# Altium PCB PCBDesign.PcbDoc (part 5 of 8)
Units mm, origin at the board's own origin, x right, y up, seen from the top; angles counter-clockwise.
Board outline 95 x 70 mm, 10 copper layers (L1 (Sig), L2 (GND), L3 (Sig), L4 (GND), L5 (Sig), L6 (GND), L7 (Sig), L8 (GND), L9 (PWR), L10 (Sig)), stack 1.566 mm thick; 290 components, 365 nets, 1923 pads, 1420 vias.
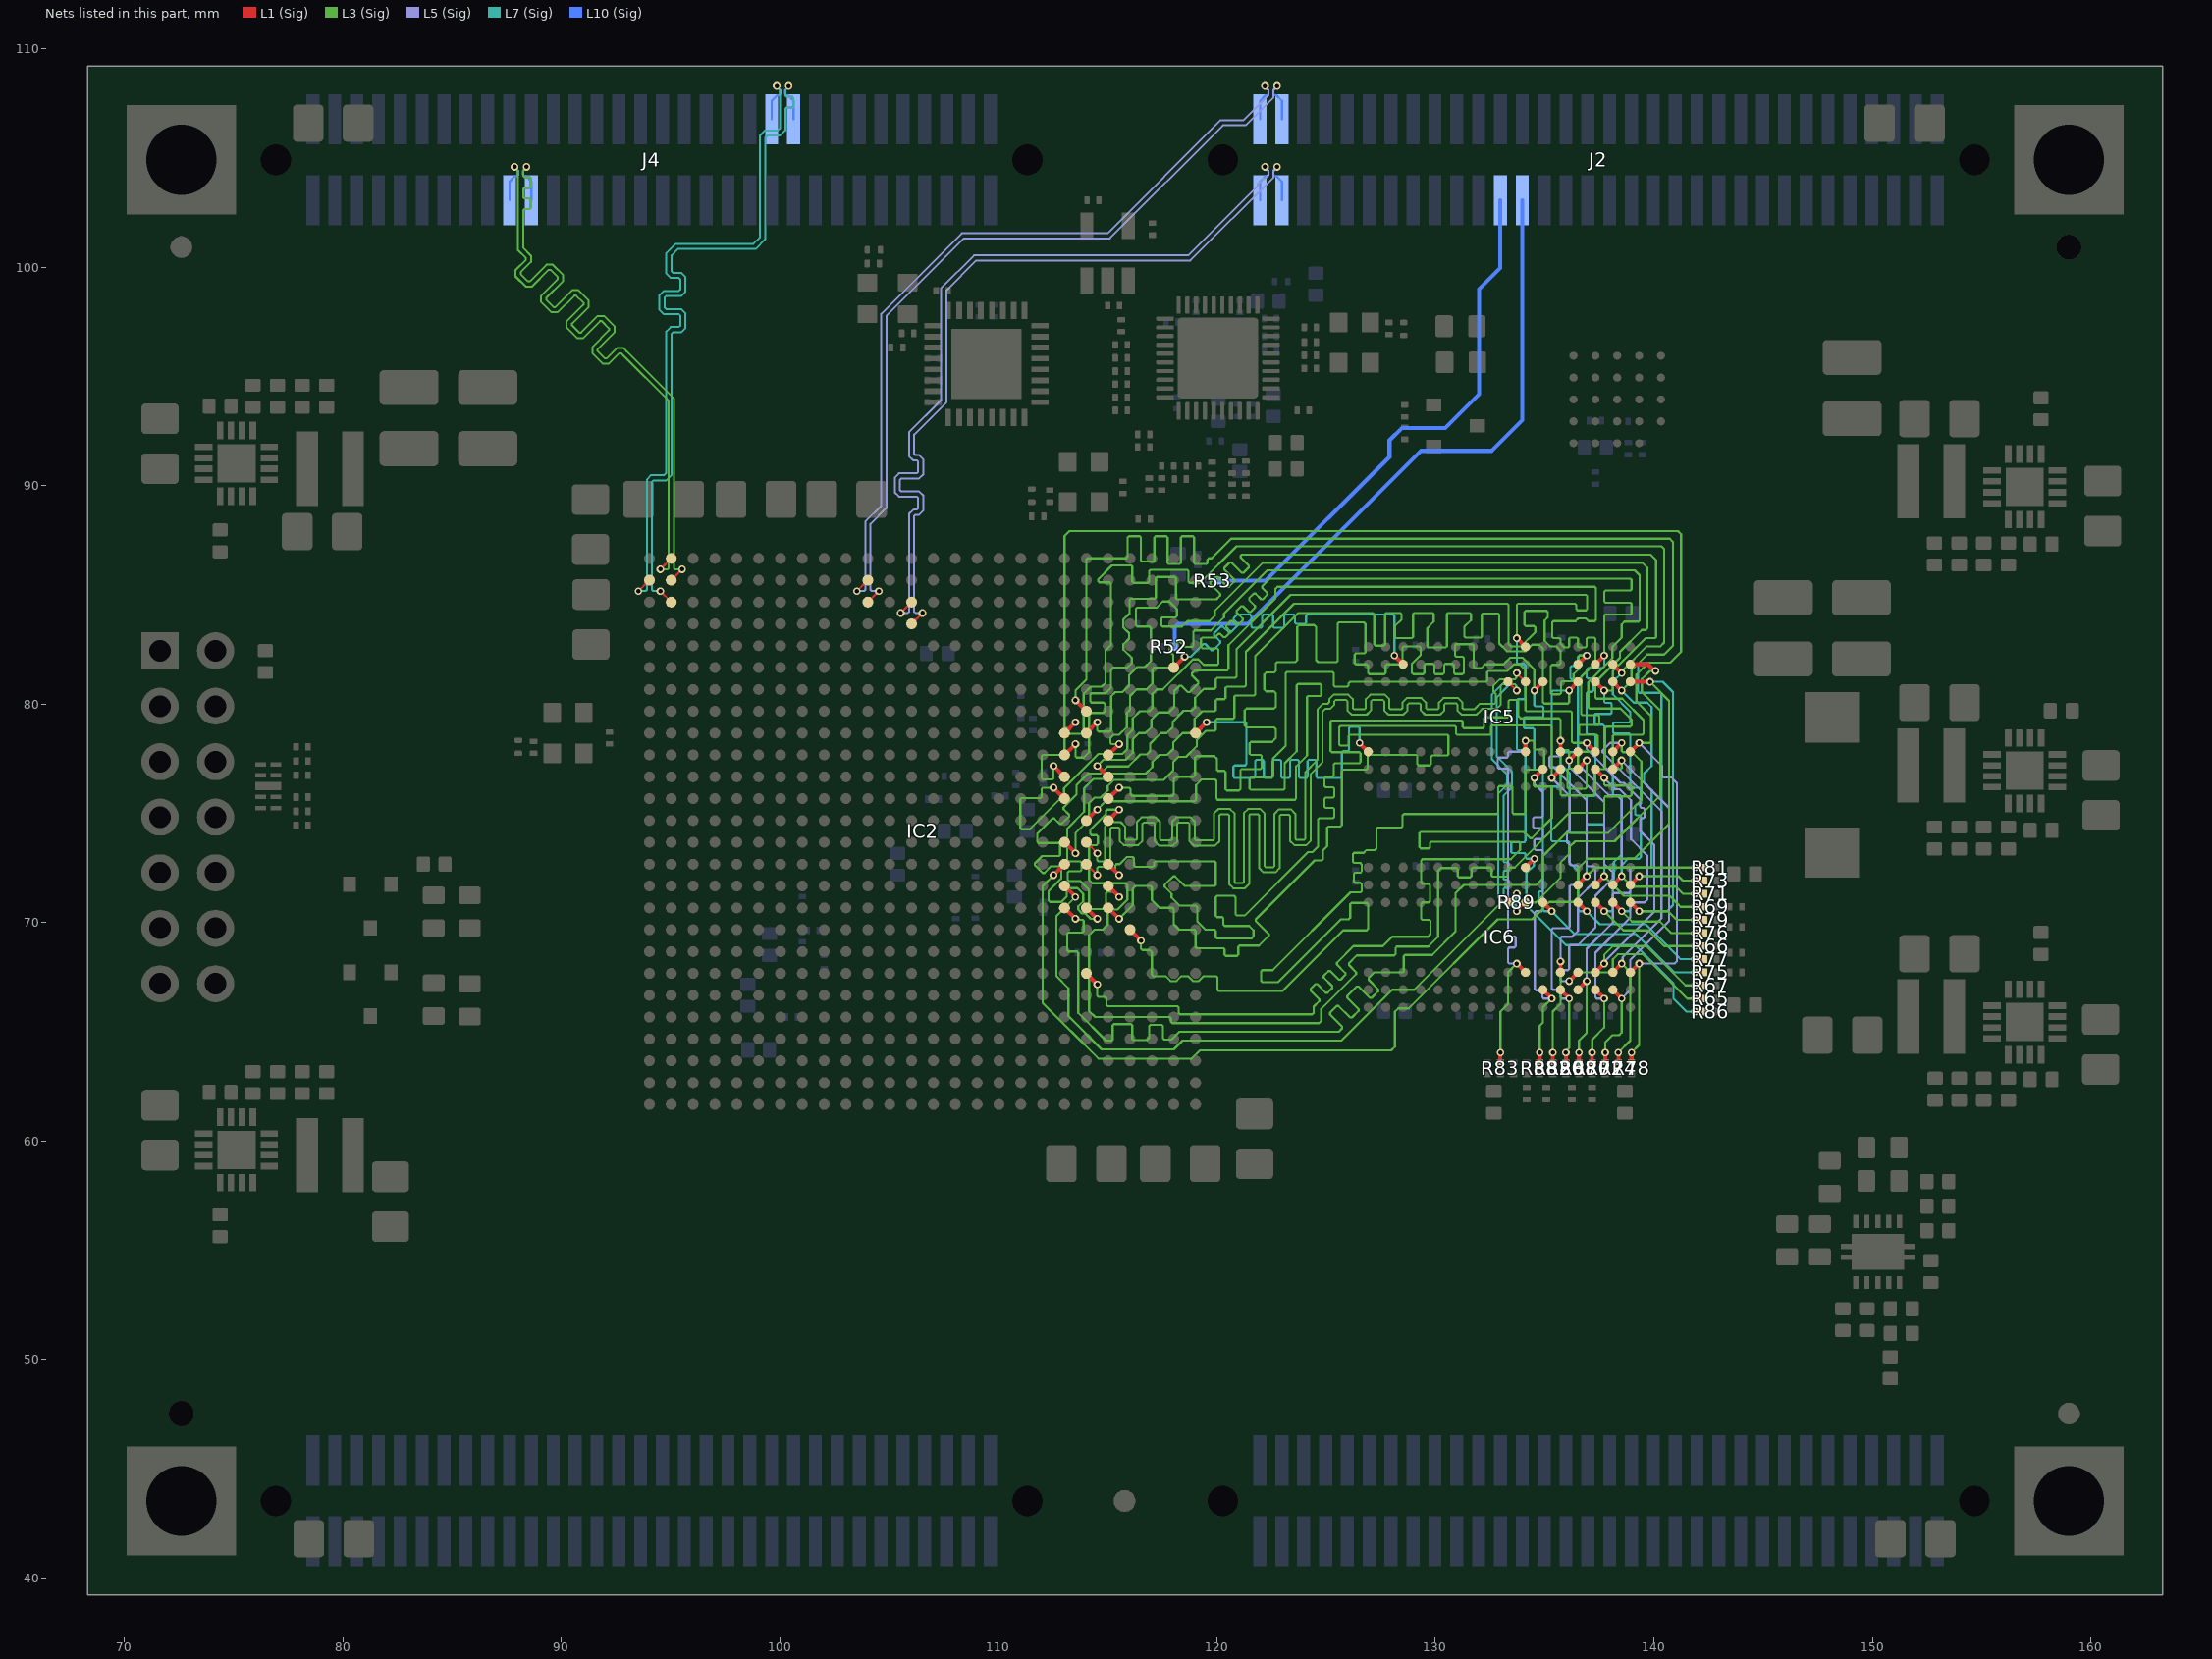
[diagram p13: the nets of this part, all layers, seen from the top]

## Via types
v1: diameter 0.35, hole 0.2, L1 (Sig) to L10 (Sig), tented both sides, 1046 vias
v2: diameter 0.45, hole 0.2, L1 (Sig) to L10 (Sig), tented both sides, 216 vias
v3: diameter 0.6, hole 0.3, L1 (Sig) to L10 (Sig), tented both sides, 95 vias
v4: diameter 0.8, hole 0.4, L1 (Sig) to L10 (Sig), tented both sides, 41 vias
v5: diameter 0.45, hole 0.3, L1 (Sig) to L10 (Sig), tented both sides, 22 vias

## Nets (pads, with @x,y where several pads share a name; then routed paths per layer and width w, separated by ;. In a path a pad name is that pad's centre, name@x,y a point inside that pad or via, vN(x,y) a via of type N, cw(c..) or ccw(c..) an arc to the next point about the centre after c; other vN are vias at no path point) (continued)
B34_IO_L23_N: IC2.B1 J4.22 | length 33.9
  L1 (Sig) w0.1: v1(93.525,85.175) IC2.B1@94.025,85.675
  L7 (Sig) w0.09: v1(93.525,85.175) 93.852,85.175 93.905,85.228 93.905,90.28 94.115,90.49 94.701,90.49 94.8,90.589 94.8,96.625 94.8,97.061 95,97.261 95.373,97.261 95.432,97.32 95.432,97.792 95.373,97.851 94.686,97.851 94.487,98.05 94.487,98.721 94.686,98.921 95.373,98.921 95.432,98.98 95.432,99.452 95.373,99.511 95,99.511 94.8,99.71 94.8,99.925 94.8,100.65 95.225,101.075 98.786,101.075 99.085,101.374 99.085,106.035 99.315,106.265 99.901,106.265 100.005,106.369 100.005,108.117 99.85,108.272 v1(99.85,108.3)
  L10 (Sig) w0.1: J4.22@99.625,106.775 99.625,107.625 99.875,107.875 99.956,107.875 100.015,107.934 100.015,108.116 99.85,108.281 v1(99.85,108.3)
B34_IO_L23_P: IC2.C2 J4.20 | length 34.5
  L1 (Sig) w0.1: v1(94.525,85.175) IC2.C2@95.025,84.675
  L7 (Sig) w0.09: v1(94.525,85.175) 94.198,85.175 94.145,85.228 94.145,90.181 94.214,90.25 94.8,90.25 95.04,90.49 95.04,96.625 95.04,96.962 95.099,97.021 95.472,97.021 95.672,97.22 95.672,97.891 95.472,98.091 94.786,98.091 94.727,98.15 94.727,98.622 94.786,98.681 95.472,98.681 95.672,98.88 95.672,99.551 95.472,99.751 95.099,99.751 95.04,99.81 95.04,99.925 95.04,100.551 95.324,100.835 98.885,100.835 99.325,101.275 99.325,105.936 99.414,106.025 100,106.025 100.245,106.27 100.245,106.725 100.245,107.26 100.298,107.313 100.556,107.313 100.605,107.362 100.605,107.754 100.556,107.803 100.298,107.803 100.245,107.855 100.245,108.031 100.245,108.117 100.4,108.272 v1(100.4,108.3)
  L10 (Sig) w0.1: v1(100.4,108.3) 100.4,108.281 100.235,108.116 100.235,107.934 100.294,107.875 100.375,107.875 100.625,107.625 J4.20@100.625,106.775
B34_IO_L24_N: IC2.A2 J4.45 | length 32.9
  L1 (Sig) w0.1: v1(94.525,86.175) IC2.A2@95.025,86.675
  L3 (Sig) w0.09: v1(87.85,104.6) 87.85,104.572 88.005,104.417 88.005,101.03 88.005,100.795 88.37,100.43 88.37,100.347 87.892,99.87 87.892,99.587 88.366,99.113 88.649,99.113 89.418,99.882 89.501,99.882 89.835,99.548 89.835,99.465 89.066,98.696 89.066,98.414 89.54,97.939 89.823,97.939 90.591,98.708 90.675,98.708 91.009,98.374 91.009,98.291 90.24,97.522 90.24,97.24 90.714,96.765 90.996,96.765 91.765,97.534 91.849,97.534 92.182,97.201 92.182,97.117 91.414,96.348 91.414,96.066 91.888,95.592 92.17,95.592 92.648,96.069 92.731,96.069 92.813,95.988 94.905,93.895 94.905,86.228 94.852,86.175 v1(94.525,86.175)
  L10 (Sig) w0.1: J4.45@87.625,103.075 87.625,103.925 87.875,104.175 87.956,104.175 88.015,104.234 88.015,104.416 87.85,104.581 v1(87.85,104.6)
B34_IO_L24_P: IC2.B2 J4.43 | length 34.1
  L1 (Sig) w0.1: IC2.B2@95.025,85.675 v1(95.525,86.175)
  L3 (Sig) w0.09: v1(88.4,104.6) 88.4,104.572 88.253,104.425 88.245,104.417 88.245,104.184 88.298,104.132 88.536,104.132 88.585,104.083 88.585,103.691 88.536,103.642 88.294,103.642 88.245,103.593 88.245,103.201 88.294,103.152 88.536,103.152 88.585,103.103 88.585,102.711 88.536,102.662 88.298,102.662 88.245,102.609 88.245,102.074 88.245,101.27 88.245,100.894 88.61,100.53 88.61,100.248 88.132,99.77 88.132,99.687 88.466,99.353 88.549,99.353 89.318,100.122 89.6,100.122 90.075,99.648 90.075,99.365 89.306,98.596 89.306,98.513 89.64,98.179 89.723,98.179 90.492,98.948 90.774,98.948 91.249,98.474 91.249,98.191 90.48,97.423 90.48,97.339 90.813,97.005 90.897,97.005 91.666,97.774 91.948,97.774 92.422,97.3 92.422,97.018 91.654,96.249 91.654,96.165 91.987,95.832 92.071,95.832 92.548,96.309 92.83,96.309 92.982,96.157 95.145,93.994 95.145,86.228 95.198,86.175 v1(95.525,86.175)
  L10 (Sig) w0.1: v1(88.4,104.6) 88.4,104.581 88.235,104.416 88.235,104.234 88.294,104.175 88.375,104.175 88.625,103.925 J4.43@88.625,103.075
B35_IO_L19_N: IC2.C13 J2.63 | length 38.3
  L1 (Sig) w0.1: v1(105.525,84.175) IC2.C13@106.025,84.675
  L5 (Sig) w0.09: v1(105.525,84.175) 105.852,84.175 105.905,84.228 105.905,88.35 105.905,88.711 106.105,88.911 106.268,88.911 106.327,88.97 106.327,89.442 106.268,89.501 105.45,89.501 105.251,89.7 105.251,90.371 105.45,90.571 106.268,90.571 106.327,90.63 106.327,91.102 106.268,91.161 106.105,91.161 105.905,91.36 105.905,91.575 105.905,92.444 107.385,93.924 107.385,99.049 108.886,100.55 118.686,100.55 121.875,103.739 121.875,103.825 122.1,104.05 122.186,104.05 122.355,104.219 122.355,104.417 122.2,104.572 v1(122.2,104.6)
  L10 (Sig) w0.1: J2.63@121.975,103.075 121.975,103.925 122.225,104.175 122.306,104.175 122.365,104.234 122.365,104.416 122.2,104.581 v1(122.2,104.6)
B35_IO_L19_P: IC2.D13 J2.61 | length 38.3
  L1 (Sig) w0.1: IC2.D13@106.025,83.675 v1(106.525,84.175)
  L5 (Sig) w0.09: v1(106.525,84.175) 106.198,84.175 106.145,84.228 106.145,88.35 106.145,88.612 106.204,88.671 106.367,88.671 106.567,88.87 106.567,89.541 106.367,89.741 105.55,89.741 105.491,89.8 105.491,90.272 105.55,90.331 106.367,90.331 106.567,90.53 106.567,91.201 106.367,91.401 106.204,91.401 106.145,91.46 106.145,91.575 106.145,92.345 107.625,93.825 107.625,98.95 108.985,100.31 118.785,100.31 122.595,104.12 122.595,104.417 122.75,104.572 v1(122.75,104.6)
  L10 (Sig) w0.1: v1(122.75,104.6) 122.75,104.581 122.585,104.416 122.585,104.234 122.644,104.175 122.725,104.175 122.975,103.925 J2.61@122.975,103.075
B35_IO_L23_N: IC2.B11 J2.64 | length 38.2
  L1 (Sig) w0.1: v1(103.525,85.175) IC2.B11@104.025,85.675
  L5 (Sig) w0.09: v1(103.525,85.175) 103.852,85.175 103.905,85.228 103.905,88.353 104.635,89.083 104.635,97.874 108.32,101.56 114.995,101.56 120.176,106.74 121.226,106.74 122.355,107.869 122.355,108.117 122.2,108.272 v1(122.2,108.3)
  L10 (Sig) w0.1: J2.64@121.975,106.775 121.975,107.625 122.225,107.875 122.306,107.875 122.365,107.934 122.365,108.116 122.2,108.281 v1(122.2,108.3)
B35_IO_L23_P: IC2.C11 J2.62 | length 38.2
  L1 (Sig) w0.1: IC2.C11@104.025,84.675 v1(104.525,85.175)
  L5 (Sig) w0.09: v1(104.525,85.175) 104.198,85.175 104.145,85.228 104.145,88.254 104.875,88.984 104.875,97.775 108.42,101.32 115.095,101.32 120.275,106.5 121.325,106.5 122.595,107.77 122.595,108.117 122.75,108.272 v1(122.75,108.3)
  L10 (Sig) w0.1: v1(122.75,108.3) 122.75,108.281 122.585,108.116 122.585,107.934 122.644,107.875 122.725,107.875 122.975,107.625 J2.62@122.975,106.775
BOOTMODE_0: J2.39 R52.1 | length 30.8
  L10 (Sig) w0.185: R52.1@118.075,82.625 118.075,83.525 118.225,83.675 121.425,83.675 129.35,91.6 132.575,91.6 133.975,93 J2.39@133.975,103.075
BOOTMODE_1: J2.41 R53.1 | length 25.2
  L10 (Sig) w0.185: R53.1@120.075,85.65 122.225,85.65 127.9,91.325 127.9,92.075 128.475,92.65 130.45,92.65 132,94.2 132,99 132.975,99.975 J2.41@132.975,103.075
DDR_A0: IC2.K22 IC5.N3 IC6.N3 R65.2 | length 71.9
  L1 (Sig) w0.185: IC2.K22@115.025,77.675 v1(115.525,78.175) ; v1(136.125,67.325) IC6.N3@136.525,67.725 ; v1(136.125,77.425) IC5.N3@136.525,77.825 ; v1(141.875,66.525) R65.2@142.325,66.525
  L3 (Sig) w0.1: v1(115.525,78.175) 115.184,78.175 115.125,78.234 115.125,78.45 115.275,78.6 115.525,78.6 115.875,78.95 115.875,79.6 116.025,79.75 116.025,80.375 116.325,80.675 116.775,80.675 117.05,80.95 117.05,81.6 117.125,81.675 117.941,81.675 118,81.734 118,82.25 117.829,82.421 117.829,82.504 118.209,82.884 118.291,82.884 118.55,82.625 118.866,82.625 118.925,82.684 118.925,83.316 118.984,83.375 119.725,83.375 120.325,83.975 120.325,84.15 122.3,86.125 139.125,86.125 139.35,85.9 139.35,83.836 139.291,83.777 138.652,83.777 138.525,83.65 138.525,83.05 138.1,82.625 138.1,82.1 137,81 137,79.859 137.059,79.8 138.475,79.8 138.975,79.3 138.975,79.034 138.916,78.975 137.834,78.975 137.775,78.916 137.775,77.084 137.716,77.025 137.334,77.025 137.275,76.966 137.275,75.884 137.216,75.825 135.784,75.825 135.725,75.884 135.725,77.841 135.784,77.9 136.066,77.9 136.125,77.841 v1(136.125,77.425) ; v1(136.125,67.325) 136.525,67.725 137.925,67.725 138.125,67.925 138.125,68.325 138.35,68.55 139.5,68.55 141.525,66.525 v1(141.875,66.525)
  L5 (Sig) w0.1: v1(136.125,67.325) 135.784,67.325 135.725,67.384 135.725,67.766 135.784,67.825 136.066,67.825 136.125,67.884 136.125,68.916 136.184,68.975 136.525,68.975 137.325,69.775 137.325,71.225 138.125,72.025 138.125,72.3 137.725,72.7 137.725,75.525 136.125,77.125 v1(136.125,77.425)
DDR_A1: IC2.K20 IC5.P7 IC6.P7 R66.2 | length 69.3
  L1 (Sig) w0.185: IC2.K20@113.025,77.675 v1(113.525,78.175) ; IC5.P7@137.325,81.025 v1(137.725,80.625) ; IC6.P7@137.325,70.925 v1(137.727,70.525) ; v1(141.875,68.925) R66.2@142.325,68.925
  L3 (Sig) w0.1: v1(113.525,78.175) 113.525,77.609 113.584,77.55 113.9,77.55 114.15,77.8 114.15,79.525 114.225,79.6 114.816,79.6 114.875,79.659 114.875,80.016 114.816,80.075 114.259,80.075 114.2,80.134 114.2,80.441 114.259,80.5 114.9,80.5 115.15,80.75 115.15,81.575 115.25,81.675 115.9,81.675 116.1,81.875 116.1,82.125 115.725,82.5 115.725,82.75 115.975,83 115.975,83.25 115.711,83.514 115.711,83.864 116,84.152 116,84.764 116.059,84.823 117.141,84.823 117.2,84.882 117.2,85.766 117.259,85.825 118.066,85.825 118.125,85.766 118.125,84.859 118.184,84.8 119.975,84.8 120.146,84.971 120.146,85.054 119.691,85.509 119.691,85.591 119.934,85.834 120.016,85.834 120.225,85.625 120.471,85.379 120.554,85.379 120.796,85.621 120.796,85.704 120.341,86.159 120.341,86.241 120.584,86.484 120.666,86.484 121.134,86.016 121.216,86.016 121.459,86.259 121.459,86.341 121.091,86.709 121.091,86.791 121.15,86.85 139.85,86.85 140.1,86.6 140.1,83.084 140.041,83.025 139.627,83.025 138.125,81.523 138.125,80.684 138.066,80.625 v1(137.725,80.625) ; v1(137.727,70.525) 138.602,69.65 139.75,69.65 140.475,68.925 v1(141.875,68.925)
  L7 (Sig) w0.1: v1(137.725,80.625) 137.725,80.4 137.725,80.117 137.784,80.059 138.022,80.059 138.072,80.009 138.072,79.609 138.022,79.559 137.342,79.559 137.292,79.509 137.292,79.109 137.342,79.059 137.666,79.059 137.725,79 137.725,78.95 137.725,77.084 137.784,77.025 138.066,77.025 138.125,76.966 138.125,75.884 138.184,75.825 138.466,75.825 138.525,75.766 138.525,73.125 138.173,72.773 138.173,71.973 138.125,71.925 138.125,70.584 138.066,70.525 v1(137.727,70.525)
DDR_A2: IC2.N21 IC5.P3 IC6.P3 R67.2 | length 70.1
  L1 (Sig) w0.185: IC2.N21@114.025,74.675 v1(114.525,75.175) ; v1(136.925,78.225) IC5.P3@137.325,77.825 ; IC6.P3@137.325,67.725 v1(137.725,68.125) ; v1(141.875,67.125) R67.2@142.325,67.125
  L3 (Sig) w0.1: v1(114.525,75.175) 114.9,75.55 118.991,75.55 119.05,75.609 119.05,76.3 119.3,76.55 119.916,76.55 119.975,76.491 119.975,75.684 120.034,75.625 123.566,75.625 123.625,75.684 123.625,77.15 124.125,77.65 124.125,80.316 124.184,80.375 124.716,80.375 124.775,80.434 124.775,80.866 124.716,80.925 123.709,80.925 123.65,80.866 123.65,77.85 123.1,77.3 123.1,76.142 123.041,76.084 121.559,76.084 121.5,76.142 121.5,76.591 121.559,76.65 122.516,76.65 122.575,76.709 122.575,77.525 123.15,78.1 123.15,81.416 123.209,81.475 125.291,81.475 125.35,81.416 125.35,80.859 125.409,80.8 125.966,80.8 126.025,80.859 126.025,80.95 126.1,81.025 132.316,81.025 132.375,81.084 132.375,81.462 132.434,81.521 133.29,81.521 133.594,81.825 133.85,81.825 134.125,81.55 134.125,79.734 134.184,79.675 136.191,79.675 136.25,79.616 136.25,78.284 136.309,78.225 v1(136.925,78.225) ; v1(137.725,68.125) 137.725,68.525 138.125,68.925 139.65,68.925 141.45,67.125 v1(141.875,67.125)
  L5 (Sig) w0.1: v1(136.925,78.225) 136.916,78.216 136.916,77.959 138.475,76.4 138.625,76.4 139.375,75.65 139.375,75.309 139.434,75.25 139.516,75.25 139.575,75.191 139.575,74.834 139.516,74.775 139.434,74.775 139.375,74.716 139.375,74.2 140.025,73.55 140.025,70.5 137.817,68.292 137.817,68.285 137.725,68.193 v1(137.725,68.125)
DDR_A3: IC2.L22 IC5.N2 IC6.N2 R68.2 | length 68.1
  L1 (Sig) w0.185: v1(114.525,77.175) IC2.L22@115.025,76.675 ; IC6.N2@136.525,66.925 v1(136.925,67.325) ; IC5.N2@136.525,77.025 v1(136.925,77.425) ; R68.2@136.575,63.6 v1(136.575,64.05)
  L3 (Sig) w0.1: v1(114.525,77.175) 114.8,77.45 115.825,77.45 116.15,77.775 116.15,78.4 116.425,78.675 116.725,78.675 117,78.95 117,79.3 117.325,79.625 117.8,79.625 118.05,79.875 118.05,80.6 118.296,80.846 118.379,80.846 118.671,80.554 118.754,80.554 119.146,80.946 119.146,81.029 118.854,81.321 118.854,81.404 119,81.55 120.466,81.55 120.525,81.609 120.525,82.7 122.675,84.85 122.675,85.275 122.775,85.375 137.291,85.375 137.35,85.316 137.35,83.859 137.291,83.8 137.009,83.8 136.884,83.925 136.541,83.925 136.416,83.8 135.409,83.8 135.35,83.741 135.35,83.084 135.409,83.025 135.666,83.025 135.725,82.966 135.725,82.775 135.9,82.6 136.066,82.6 136.125,82.659 136.125,82.991 136.184,83.05 136.466,83.05 136.525,82.991 136.525,82.659 136.584,82.6 136.866,82.6 136.925,82.659 136.925,82.991 136.984,83.05 137.266,83.05 137.325,82.991 137.325,81.9 136.675,81.25 136.675,79.559 136.734,79.5 137.441,79.5 137.5,79.441 137.5,79.109 137.441,79.05 136.634,79.05 136.575,78.991 136.575,78.659 136.634,78.6 137.366,78.6 137.425,78.541 137.425,77.884 137.366,77.825 136.584,77.825 136.525,77.766 136.525,77.109 136.466,77.05 136.109,77.05 136.05,76.991 136.05,76.184 136.109,76.125 136.866,76.125 136.925,76.184 v1(136.925,77.425) ; v1(136.575,64.05) 136.575,64.6 136.925,64.95 v1(136.925,67.325)
  L5 (Sig) w0.1: v1(136.925,67.325) 136.925,68.8 138.125,70 138.125,71.291 138.184,71.35 138.866,71.35 138.925,71.409 138.925,72.466 138.866,72.525 138.584,72.525 138.525,72.584 138.525,75.6 138.3,75.825 137.95,75.825 136.725,77.05 136.725,77.225 v1(136.925,77.425)
DDR_A4: IC2.M20 IC5.P8 IC6.P8 R69.2 | length 69.4
  L1 (Sig) w0.185: v1(112.525,76.175) IC2.M20@113.025,75.675 ; IC6.P8@137.325,71.725 v1(137.725,72.125) ; IC5.P8@137.325,81.825 v1(137.725,82.225) ; v1(141.877,70.725) R69.2@142.325,70.725
  L3 (Sig) w0.1: v1(112.525,76.175) 112.034,76.175 111.975,76.116 111.975,75.759 111.916,75.7 111.059,75.7 111,75.641 111,74.334 111.059,74.275 111.425,74.275 113,75.85 113,76.15 114.575,77.725 115.675,77.725 115.9,77.95 115.9,78.575 116.15,78.825 116.15,79.35 116.475,79.675 116.9,79.675 117.05,79.825 117.05,80.475 117.25,80.675 117.525,80.675 118.9,82.05 119.15,82.05 119.4,81.8 120.016,81.8 120.075,81.859 120.075,82.491 120.016,82.55 119.334,82.55 119.275,82.609 119.275,82.991 119.334,83.05 119.9,83.05 120.071,83.221 120.154,83.221 120.225,83.15 120.309,83.066 120.391,83.066 120.596,83.271 120.596,83.354 120.429,83.521 120.429,83.604 120.634,83.809 120.716,83.809 120.896,83.629 120.979,83.629 121.184,83.834 121.184,83.916 120.904,84.196 120.904,84.279 121.109,84.484 121.191,84.484 121.459,84.216 121.541,84.216 121.746,84.421 121.746,84.504 121.479,84.771 121.479,84.854 121.684,85.059 121.766,85.059 122.021,84.804 122.104,84.804 122.309,85.009 122.309,85.091 122.079,85.321 122.079,85.404 122.425,85.75 138.916,85.75 138.975,85.691 138.975,85.259 138.916,85.2 137.784,85.2 137.725,85.141 137.725,84.709 137.784,84.65 138.916,84.65 138.975,84.591 138.975,84.159 138.916,84.1 137.784,84.1 137.725,84.041 v1(137.725,82.225) ; v1(137.725,72.125) 138.625,71.225 140.725,71.225 141.1,70.85 141.225,70.725 v1(141.877,70.725)
  L7 (Sig) w0.1: v1(137.725,72.125) 137.725,74.441 137.666,74.5 136.984,74.5 136.925,74.559 136.925,75.741 136.984,75.8 137.266,75.8 137.325,75.859 137.325,78.566 137.266,78.625 136.984,78.625 136.925,78.684 136.925,79.844 136.925,80.502 136.986,80.563 137.168,80.563 137.229,80.623 137.229,81.11 137.168,81.171 136.986,81.171 136.925,81.231 136.925,81.305 136.925,81.591 136.984,81.65 137.666,81.65 137.725,81.709 v1(137.725,82.225)
DDR_A5: IC2.N22 IC5.P2 IC6.P2 R70.2 | length 67.3
  L1 (Sig) w0.185: IC2.N22@115.025,74.675 v1(115.525,75.175) ; R70.2@137.175,63.6 v1(137.175,64.05) ; IC6.P2@137.325,66.925 v1(137.725,66.525) ; IC5.P2@137.325,77.025 v1(137.725,76.625)
  L3 (Sig) w0.1: v1(115.525,75.175) 114.984,75.175 114.925,75.116 114.925,74.975 114.2,74.25 114.2,74.059 114.259,74 114.491,74 114.55,73.941 114.55,73.609 114.491,73.55 114.209,73.55 114.15,73.491 114.15,71.95 114.3,71.8 115.825,71.8 115.9,71.725 115.9,71.052 115.448,70.6 115.175,70.6 115,70.425 115,69.9 114.775,69.675 114.4,69.675 114.15,69.425 114.15,65.95 114.425,65.675 117.841,65.675 117.9,65.616 117.9,65.459 117.959,65.4 124.675,65.4 124.775,65.5 124.775,66.05 126.371,67.646 126.371,67.729 126.041,68.059 126.041,68.141 126.4,68.5 128.116,68.5 128.175,68.559 128.175,68.841 128.234,68.9 129.675,68.9 130.125,69.35 130.125,72.375 130.25,72.5 130.966,72.5 131.025,72.441 131.025,72.134 131.084,72.075 131.591,72.075 131.65,72.134 131.65,72.466 131.709,72.525 132.516,72.525 132.575,72.466 132.575,72.159 132.634,72.1 133.241,72.1 133.3,72.159 133.3,72.466 133.359,72.525 133.625,72.525 136.125,75.025 137.666,75.025 137.725,75.084 137.725,75.718 137.784,75.777 138.401,75.777 138.403,75.775 138.916,75.775 138.975,75.834 138.975,76.216 138.916,76.275 137.784,76.275 137.725,76.334 v1(137.725,76.625) ; v1(137.175,64.05) 137.175,64.65 137.725,65.2 v1(137.725,66.525)
  L5 (Sig) w0.1: v1(137.725,66.525) 137.384,66.525 137.325,66.584 137.325,68.625 138.925,70.225 138.925,70.7 139.15,70.925 139.575,70.925 139.7,71.05 139.7,73.075 138.95,73.825 138.95,75.6 138.45,76.1 138.25,76.1 v1(137.725,76.625)
DDR_A6: IC2.L20 IC5.R8 IC6.R8 R71.2 | length 67.6
  L1 (Sig) w0.185: v1(112.525,77.175) IC2.L20@113.025,76.675 ; IC6.R8@138.125,71.725 v1(138.525,72.125) ; IC5.R8@138.125,81.825 v1(138.525,81.425) ; v1(141.877,71.325) R71.2@142.325,71.325
  L3 (Sig) w0.1: v1(112.525,77.175) 112.525,76.609 112.466,76.55 112.034,76.55 111.975,76.609 111.975,77.616 112.034,77.675 112.966,77.675 113.025,77.734 113.025,78.591 113.084,78.65 113.8,78.65 113.9,78.75 113.9,80.475 114.225,80.8 114.725,80.8 114.9,80.975 114.9,82.45 115.15,82.7 115.15,85.516 115.091,85.575 114.623,85.575 114.564,85.634 114.564,85.716 115.198,86.35 116.066,86.35 116.125,86.291 116.125,85.609 116.184,85.55 116.841,85.55 116.9,85.609 116.9,86.091 116.959,86.15 118.641,86.15 118.7,86.091 118.7,85.609 118.759,85.55 119.225,85.55 120.9,87.225 140.35,87.225 140.475,87.1 140.475,82.825 140.3,82.65 139.675,82.65 138.617,81.592 138.617,81.585 138.525,81.493 v1(138.525,81.425) ; v1(138.525,72.125) 139,71.65 141,71.65 141.1,71.55 141.325,71.325 v1(141.877,71.325)
  L7 (Sig) w0.1: v1(138.525,72.125) 138.525,72.625 138.825,72.925 139.325,72.925 139.4,73 139.4,74.8 139.4,74.85 139.341,74.909 139.201,74.909 139.151,74.959 139.151,75.359 139.201,75.409 139.341,75.409 139.4,75.467 139.4,76.05 139.4,76.116 139.341,76.175 138.984,76.175 138.925,76.234 138.925,78.55 138.925,78.6 138.866,78.659 138.182,78.659 138.132,78.709 138.132,79.109 138.182,79.159 138.866,79.159 138.925,79.217 138.925,79.525 138.925,79.65 138.125,80.45 138.125,81.025 v1(138.525,81.425)
DDR_A7: IC2.J21 IC5.R2 IC6.R2 R72.2 | length 67.5
  L1 (Sig) w0.185: IC2.J21@114.025,78.675 v1(114.525,79.175) ; R72.2@137.775,63.6 v1(137.775,64.05) ; IC6.R2@138.125,66.925 v1(138.525,66.525) ; IC5.R2@138.125,77.025 v1(138.523,77.425)
  L3 (Sig) w0.1: v1(114.525,79.175) 114.525,78.809 114.584,78.75 115.101,78.75 115.159,78.809 115.159,80.359 115.35,80.55 115.675,80.55 115.975,80.85 115.975,81.325 116.35,81.7 116.7,81.7 116.975,81.975 116.975,83.491 116.916,83.55 116.359,83.55 116.3,83.609 116.3,84.366 116.359,84.425 117.25,84.425 117.525,84.7 117.825,84.7 118.175,84.35 118.175,84.034 118.116,83.975 117.509,83.975 117.45,83.916 117.45,83.609 117.509,83.55 118.4,83.55 118.65,83.8 119.65,83.8 119.9,84.05 119.9,84.275 122.1,86.475 139.475,86.475 139.7,86.25 139.7,83.475 139.625,83.4 139.45,83.4 138.45,82.4 138.45,82.125 137.325,81 137.325,80.309 137.384,80.25 138.55,80.25 139.525,79.275 139.525,78.659 139.466,78.6 138.184,78.6 138.125,78.541 138.125,77.084 138.184,77.025 138.464,77.025 138.523,77.084 v1(138.523,77.425) ; v1(137.775,64.05) 137.775,64.15 137.775,64.525 138.1,64.85 138.4,64.85 138.525,64.975 v1(138.525,66.525)